# Altium PCB drac_v2.PcbDoc (part 5 of 5)
Units mm, origin at the board's own origin, x right, y up, seen from the top; angles counter-clockwise.
Board outline 160 x 214.5 mm, 4 copper layers (Top Layer, Mid Layer 1, Mid Layer 2, Bottom Layer), stack 1.57 mm thick; 345 components, 219 nets, 1278 pads, 816 vias.
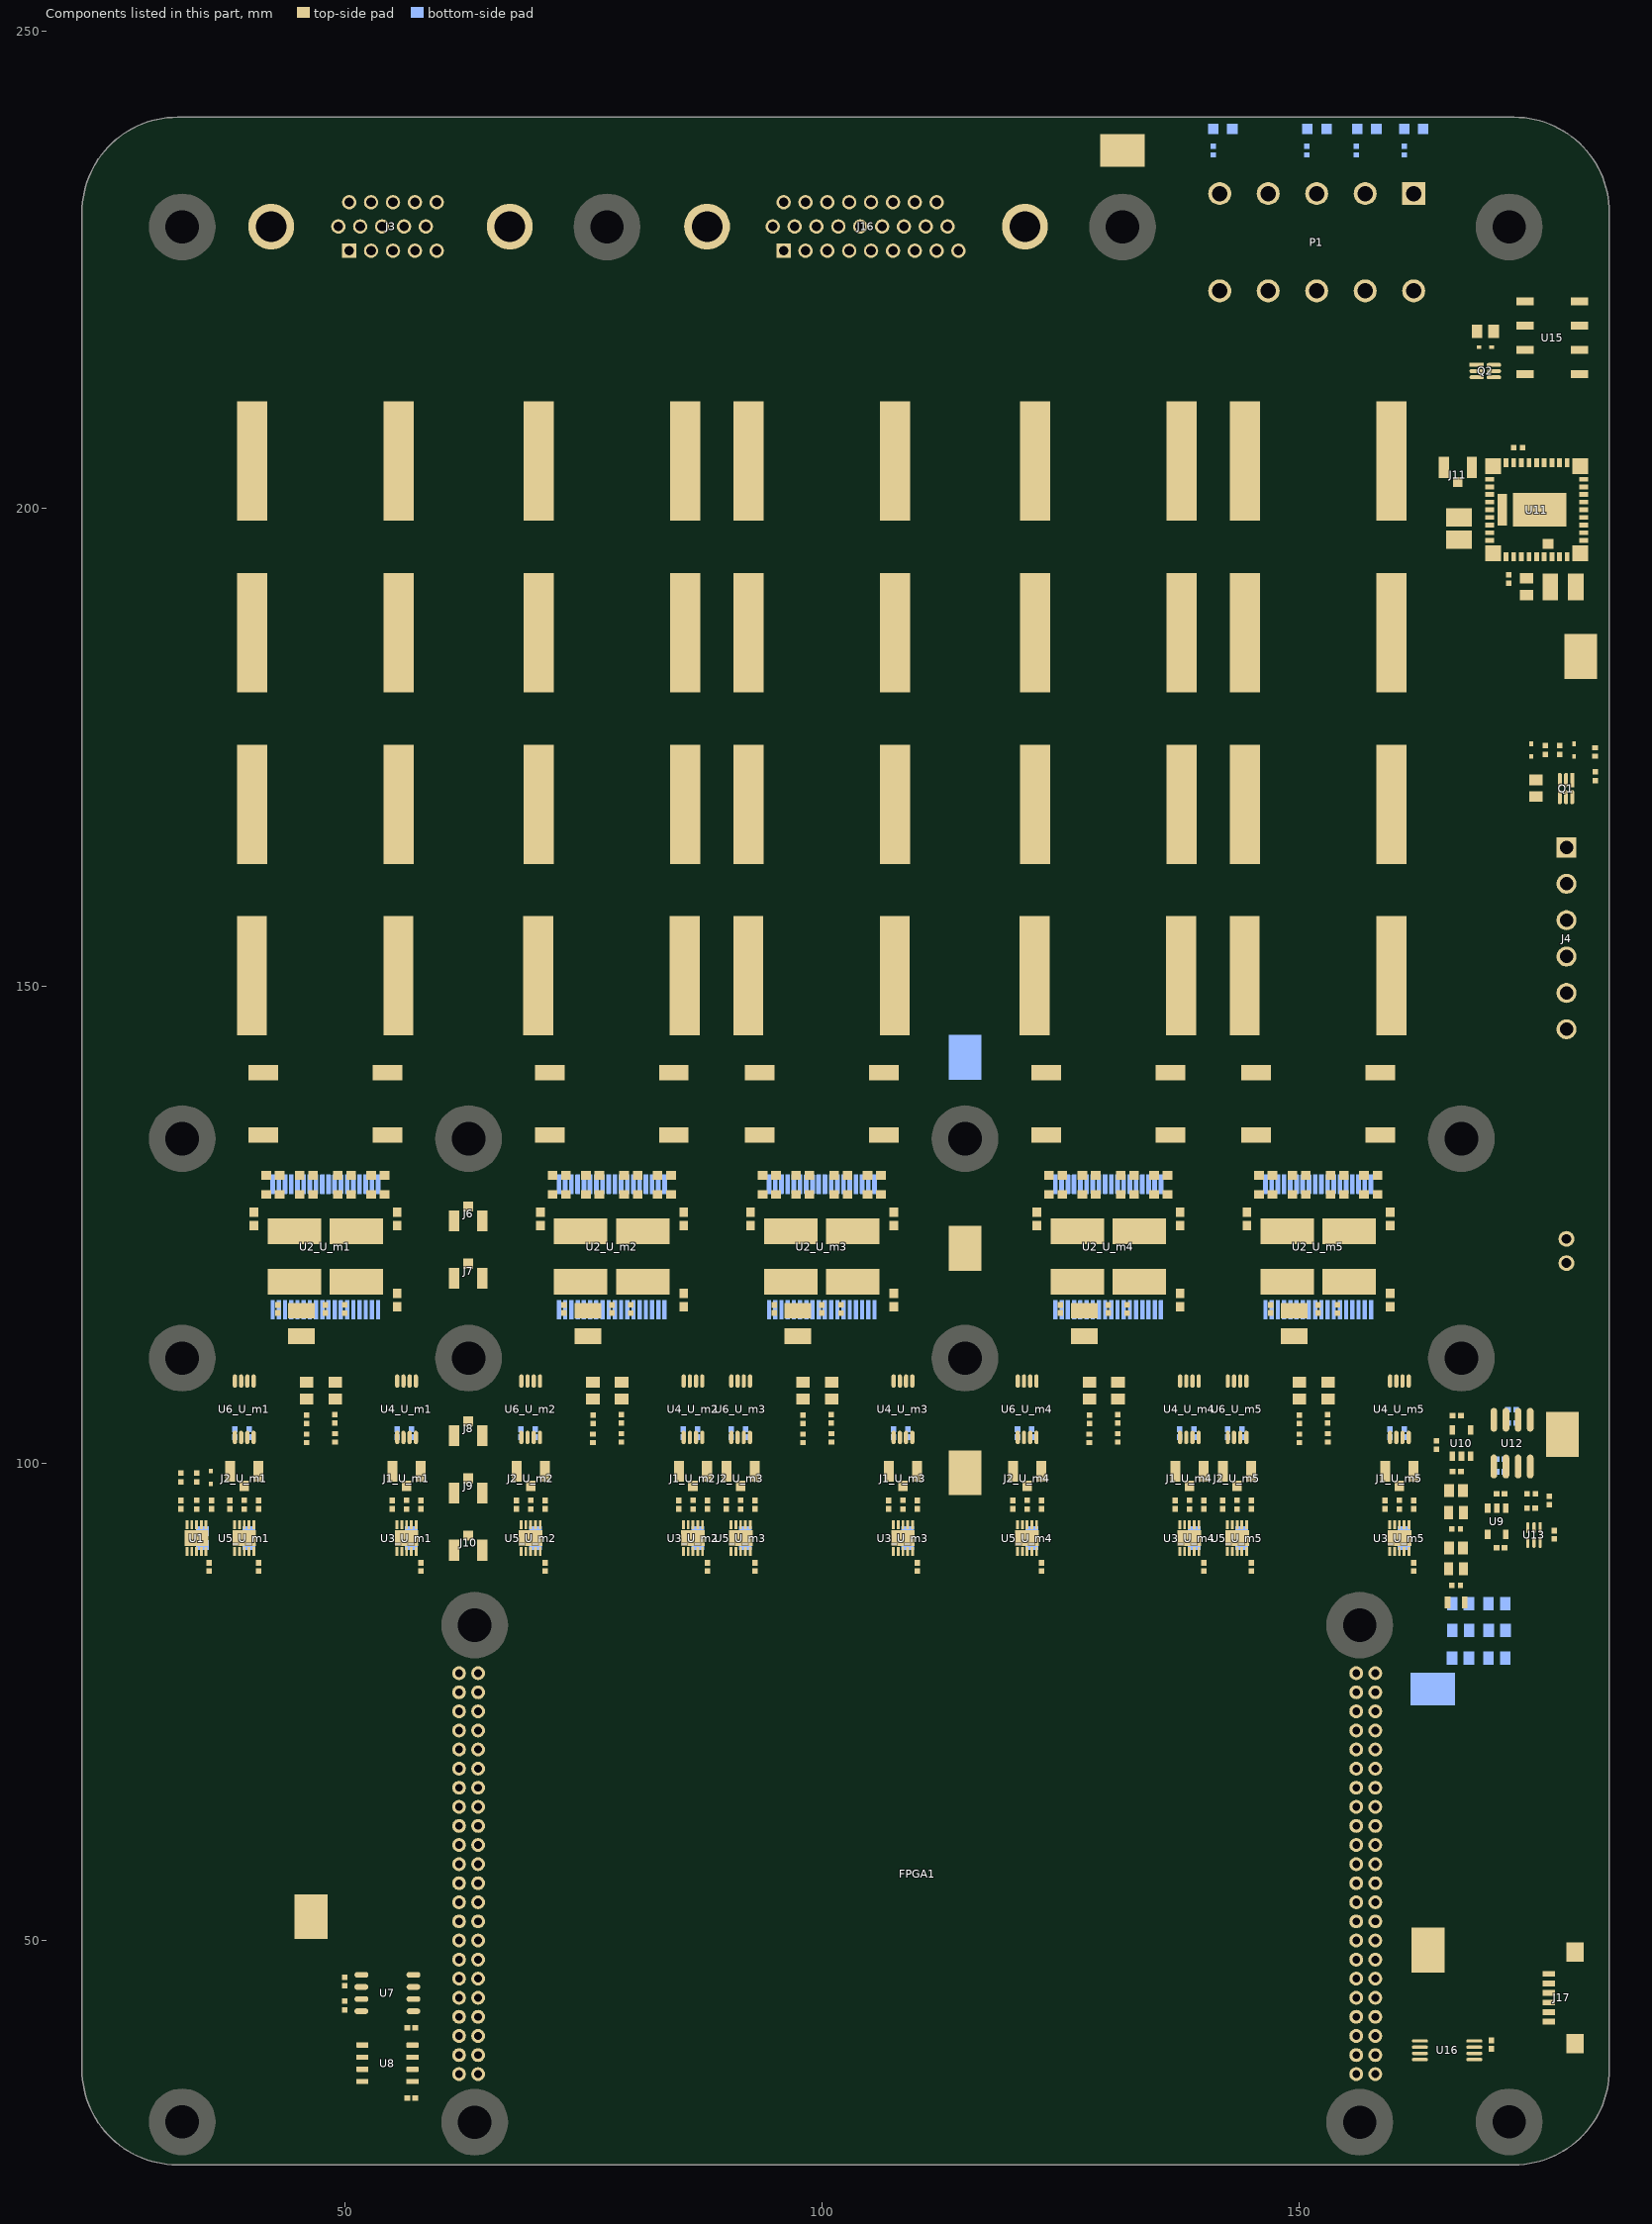
[diagram p7: the components of this part, seen from the top]

## Other copper (continued)
Bottom Layer:
  region net COIL1_P5: 158.2,195.6 158.2,193.2 161.2,193.2 161.2,195.6
  region net /MOTOR4: 158.2,198.8 158.2,196.4 161.2,196.4 161.2,198.8
  region net COIL2_P5: 158.2,159.6 158.2,157.2 161.2,157.2 161.2,159.6
  region net /MOTOR7: 158.2,162.9 158.2,160.5 161.2,160.5 161.2,162.9
  region net COIL2_P4: 136.2,159.7 136.2,157.3 139.2,157.3 139.2,159.7
  region net /MOTOR6: 136.2,162.8 136.2,160.4 139.2,160.4 139.2,162.8
  region net COIL2_P3: 106.2,159.7 106.2,157.3 109.2,157.3 109.2,159.7
  region net /MOTOR5: 106.2,162.8 106.2,160.4 109.2,160.4 109.2,162.8
  region net BRAKE1: 84.2,159.7 84.2,157.3 87.2,157.3 87.2,159.7
  region net /BRAKE1: 84.2,162.8 84.2,160.4 87.2,160.4 87.2,162.8
  region net NetC5_U_m4_2: 133.375,130.198 133.375,131.898 134.675,133.198 136.975,133.198 136.975,131.698 135.175,131.698 133.675,130.198
  region net NetC6_U_m4_2: 131.375,130.098 131.375,133.198 133.175,133.198 133.175,130.398 131.875,130.398 131.875,130.098
  region net NetC8_U_m4_2: 126.625,130.198 126.625,131.898 125.325,133.198 123.025,133.198 123.025,131.698 124.825,131.698 126.325,130.198
  region net NetC7_U_m4_2: 128.625,130.098 128.625,133.198 126.825,133.198 126.825,130.398 128.125,130.398 128.125,130.098
  region net VM: 128.225,125.598 131.825,125.598 131.825,127.998 131.125,127.998 131.125,128.398 130.825,128.398 130.825,127.998 129.225,127.998 129.225,128.398 128.825,128.398 128.825,127.998 128.225,127.998
  region net GND: 126.225,125.598 127.925,125.598 127.925,128.298 126.825,128.298 126.825,127.998 126.225,127.998
  region net VM: 126.025,125.598 126.025,128.298 125.525,128.298 125.525,127.998 124.225,127.998 124.225,125.598
  region net GND: 133.825,125.598 132.125,125.598 132.125,128.298 133.125,128.298 133.125,127.998 133.825,127.998
  region net VM: 134.025,125.598 134.025,128.298 134.425,128.298 134.425,127.998 135.825,127.998 135.825,125.598
  region net NetC5_U_m3_2: 103.375,130.198 103.375,131.898 104.675,133.198 106.975,133.198 106.975,131.698 105.175,131.698 103.675,130.198
  region net NetC6_U_m3_2: 101.375,130.098 101.375,133.198 103.175,133.198 103.175,130.398 101.875,130.398 101.875,130.098
  region net NetC8_U_m3_2: 96.625,130.198 96.625,131.898 95.325,133.198 93.025,133.198 93.025,131.698 94.825,131.698 96.325,130.198
  region net NetC7_U_m3_2: 98.625,130.098 98.625,133.198 96.825,133.198 96.825,130.398 98.125,130.398 98.125,130.098
  region net VM: 98.225,125.598 101.825,125.598 101.825,127.998 101.125,127.998 101.125,128.398 100.825,128.398 100.825,127.998 99.225,127.998 99.225,128.398 98.825,128.398 98.825,127.998 98.225,127.998
  region net GND: 96.225,125.598 97.925,125.598 97.925,128.298 96.825,128.298 96.825,127.998 96.225,127.998
  region net VM: 96.025,125.598 96.025,128.298 95.525,128.298 95.525,127.998 94.225,127.998 94.225,125.598
  region net GND: 103.825,125.598 102.125,125.598 102.125,128.298 103.125,128.298 103.125,127.998 103.825,127.998
  region net VM: 104.025,125.598 104.025,128.298 104.425,128.298 104.425,127.998 105.825,127.998 105.825,125.598
  region net NetC5_U_m2_2: 81.375,130.198 81.375,131.898 82.675,133.198 84.975,133.198 84.975,131.698 83.175,131.698 81.675,130.198
  region net NetC6_U_m2_2: 79.375,130.098 79.375,133.198 81.175,133.198 81.175,130.398 79.875,130.398 79.875,130.098
  region net NetC8_U_m2_2: 74.625,130.198 74.625,131.898 73.325,133.198 71.025,133.198 71.025,131.698 72.825,131.698 74.325,130.198
  region net NetC7_U_m2_2: 76.625,130.098 76.625,133.198 74.825,133.198 74.825,130.398 76.125,130.398 76.125,130.098
  region net VM: 76.225,125.598 79.825,125.598 79.825,127.998 79.125,127.998 79.125,128.398 78.825,128.398 78.825,127.998 77.225,127.998 77.225,128.398 76.825,128.398 76.825,127.998 76.225,127.998
  region net GND: 74.225,125.598 75.925,125.598 75.925,128.298 74.825,128.298 74.825,127.998 74.225,127.998
  region net VM: 74.025,125.598 74.025,128.298 73.525,128.298 73.525,127.998 72.225,127.998 72.225,125.598
  region net GND: 81.825,125.598 80.125,125.598 80.125,128.298 81.125,128.298 81.125,127.998 81.825,127.998
  region net VM: 82.025,125.598 82.025,128.298 82.425,128.298 82.425,127.998 83.825,127.998 83.825,125.598
  region net NetC5_U_m1_2: 51.375,130.198 51.375,131.898 52.675,133.198 54.975,133.198 54.975,131.698 53.175,131.698 51.675,130.198
  region net NetC6_U_m1_2: 49.375,130.098 49.375,133.198 51.175,133.198 51.175,130.398 49.875,130.398 49.875,130.098
  region net NetC8_U_m1_2: 44.625,130.198 44.625,131.898 43.325,133.198 41.025,133.198 41.025,131.698 42.825,131.698 44.325,130.198
  region net NetC7_U_m1_2: 46.625,130.098 46.625,133.198 44.825,133.198 44.825,130.398 46.125,130.398 46.125,130.098
  region net VM: 46.225,125.598 49.825,125.598 49.825,127.998 49.125,127.998 49.125,128.398 48.825,128.398 48.825,127.998 47.225,127.998 47.225,128.398 46.825,128.398 46.825,127.998 46.225,127.998
  region net GND: 44.225,125.598 45.925,125.598 45.925,128.298 44.825,128.298 44.825,127.998 44.225,127.998
  region net VM: 44.025,125.598 44.025,128.298 43.525,128.298 43.525,127.998 42.225,127.998 42.225,125.598
  region net GND: 51.825,125.598 50.125,125.598 50.125,128.298 51.125,128.298 51.125,127.998 51.825,127.998
  region net VM: 52.025,125.598 52.025,128.298 52.425,128.298 52.425,127.998 53.825,127.998 53.825,125.598
  region net NetC6_U_m5_2: 153.375,130.098 153.375,133.198 155.175,133.198 155.175,130.398 153.875,130.398 153.875,130.098
  region net NetC5_U_m5_2: 155.375,130.198 155.375,131.898 156.675,133.198 158.975,133.198 158.975,131.698 157.175,131.698 155.675,130.198
  region net NetC7_U_m5_2: 150.625,130.098 150.625,133.198 148.825,133.198 148.825,130.398 150.125,130.398 150.125,130.098
  region net NetC8_U_m5_2: 148.625,130.198 148.625,131.898 147.325,133.198 145.025,133.198 145.025,131.698 146.825,131.698 148.325,130.198
  region net VM: 148.025,125.598 148.025,128.298 147.525,128.298 147.525,127.998 146.225,127.998 146.225,125.598
  region net GND: 148.225,125.598 149.925,125.598 149.925,128.298 148.825,128.298 148.825,127.998 148.225,127.998
  region net VM: 156.025,125.598 156.025,128.298 156.425,128.298 156.425,127.998 157.825,127.998 157.825,125.598
  region net GND: 155.825,125.598 154.125,125.598 154.125,128.298 155.125,128.298 155.125,127.998 155.825,127.998
  region net VM: 150.225,125.598 153.825,125.598 153.825,127.998 153.125,127.998 153.125,128.398 152.825,128.398 152.825,127.998 151.225,127.998 151.225,128.398 150.825,128.398 150.825,127.998 150.225,127.998
Mid Layer 2 (plane layer: these items are gaps in the copper):
  lines w0.2: 31,111 31,99.496 31,97.5 ; 177.5,111 177.5,90 173,90 ; 31,97.5 31,91.5 169,91.5 169,90 173,90 ; 31,97.5 173,97.5 173,90 ; 174,189.5 174,197.5 179,197.5 179,189.5 174,189.5
  lines w2: 177,111 182.5,111 ; 177.5,111 31,111 31,177.5 182.5,177.5

## Silkscreen, mask and mechanical layers (free items; w line width, h text height)
Top Overlay:
  drawing of 490 lines, arcs and shapes, not listed
  text "Robot Comm" at 70,223.5 h4 r180
  text "Robot Power" at 124,223.5 h4 r180
  text "EN   S2   S1   GND   12V" at 165,219.5 h2 r180
  text "dRAC" at 25.725,209.9 h9 r270
  text "ESPM 6V" at 163.5,207.015 h2
  text "v2.0 2021-02 / Johns Hopkins University" at 25.425,191.8 h2 r270
  text "FPGA / PWR EN" at 176,176 h2
  text "48V 48V GND GND GND /ON" at 174.5,144 h2 r90
  text "48V" at 60.5,124 h2 r90
  text "GND 12V" at 174.5,119 h2 r90
  text "12V" at 60.5,118 h2 r90
  text "VDDA" at 60.5,101 h2 r90
  text "Vref" at 60.485,95.5 h2 r90
  text "1" at 43.025,94.598 h3.5
  text "2" at 49.025,94.598 h3.5
  text "3" at 73.025,94.598 h3.5
  text "4" at 79.025,94.598 h3.5
  text "5" at 95.025,94.598 h3.5
  text "6" at 101.025,94.598 h3.5
  text "7" at 125.025,94.598 h3.5
  text "8" at 131.025,94.598 h3.5
  text "9" at 147.025,94.598 h3.5
  text "A" at 153.025,94.598 h3.5
  text "B2" at 43.025,92.098 h2
  text "B3" at 49.025,92.098 h2
  text "B1" at 73.025,92.098 h2
  text "M1" at 79.025,92.098 h2
  text "M5" at 95.025,92.098 h2
  text "M2" at 101.025,92.098 h2
  text "M6" at 125.025,92.098 h2
  text "M3" at 131.025,92.098 h2
  text "M7" at 147.025,92.098 h2
  text "M4" at 153.025,92.098 h2
  text "1.8V" at 60.485,89.5 h2 r90
  text "Front Panel" at 174.5,38.5 h2 r90
Mechanical 1:
  lines w0.254: 20.5,233 184,233 ; 29.5,125.5 29.5,245 ; 152,88.148 152,214.648 ; 175.5,222 175.5,241 ; 48,88.148 48,214.648 ; 48,88.148 48,214.648 ; 48,88.148 48,214.648 ; 48,88.148 48,214.648 ; 78,88.148 78,214.648 ; 78,88.148 78,214.648 ; 78,88.148 78,214.648 ; 78,88.148 78,214.648 ; 78,88.148 78,214.648 ; 100,88.148 100,214.648 ; 100,88.148 100,214.648 ; 100,88.148 100,214.648 ; 100,88.148 100,214.648 ; 130,88.148 130,214.648 ; 130,88.148 130,214.648 ; 130,88.148 130,214.648 ; 130,88.148 130,214.648

## Text inside footprints (layer, text, board x,y; h text height)
FPGA1: Top Overlay "J2" at 60.275,34.065 h1 r180; Top Overlay "J1" at 153.025,36.4 h1 r180; Top Overlay "43" at 60.841,77.384 h0.81 r90; Top Overlay "44" at 65.095,78.717 h0.81 r270; Top Overlay "44" at 159.139,78.717 h0.81 r270; Top Overlay "43" at 154.821,77.384 h0.81 r90; Top Overlay "10" at 65.159,44.587 h0.81 r270; Top Overlay "5" at 60.841,39.855 h0.81 r90; Top Overlay "15" at 60.841,49.507 h0.81 r90; Top Overlay "25" at 60.841,59.413 h0.81 r90; Top Overlay "35" at 60.841,69.446 h0.81 r90; Top Overlay "1" at 60.587,35.791 h0.81 r90; Top Overlay "20" at 65.159,54.587 h0.81 r270; Top Overlay "30" at 65.159,64.62 h0.81 r270; Top Overlay "40" at 65.095,74.653 h0.71 r270; Top Overlay "2" at 65.159,36.299 h0.81 r270; Top Overlay "1" at 154.567,35.791 h0.81 r90; Top Overlay "2" at 159.139,36.299 h0.81 r270; Top Overlay "40" at 159.139,74.526 h0.81 r270; Top Overlay "30" at 159.139,64.62 h0.81 r270; Top Overlay "20" at 159.139,54.587 h0.81 r270; Top Overlay "10" at 159.139,44.427 h0.81 r270; Top Overlay "25" at 154.821,59.413 h0.81 r90; Top Overlay "15" at 154.821,49.507 h0.81 r90; Top Overlay "5" at 154.821,39.855 h0.81 r90; Bottom Overlay "J2" at 59.275,34.065 h1 r180; Bottom Overlay "J1" at 151.925,36.35 h1 r180
J3: Top Overlay "15" at 62.02,232.74 h0.8 r180
J16: Top Overlay "26" at 114.52,232.74 h0.8 r180
J17: Top Overlay "1" at 176.2,40.4 h1.02 r90; Top Overlay "6" at 176.2,47.2 h1.02 r90